# Allegro board MB1167.brd (continued)
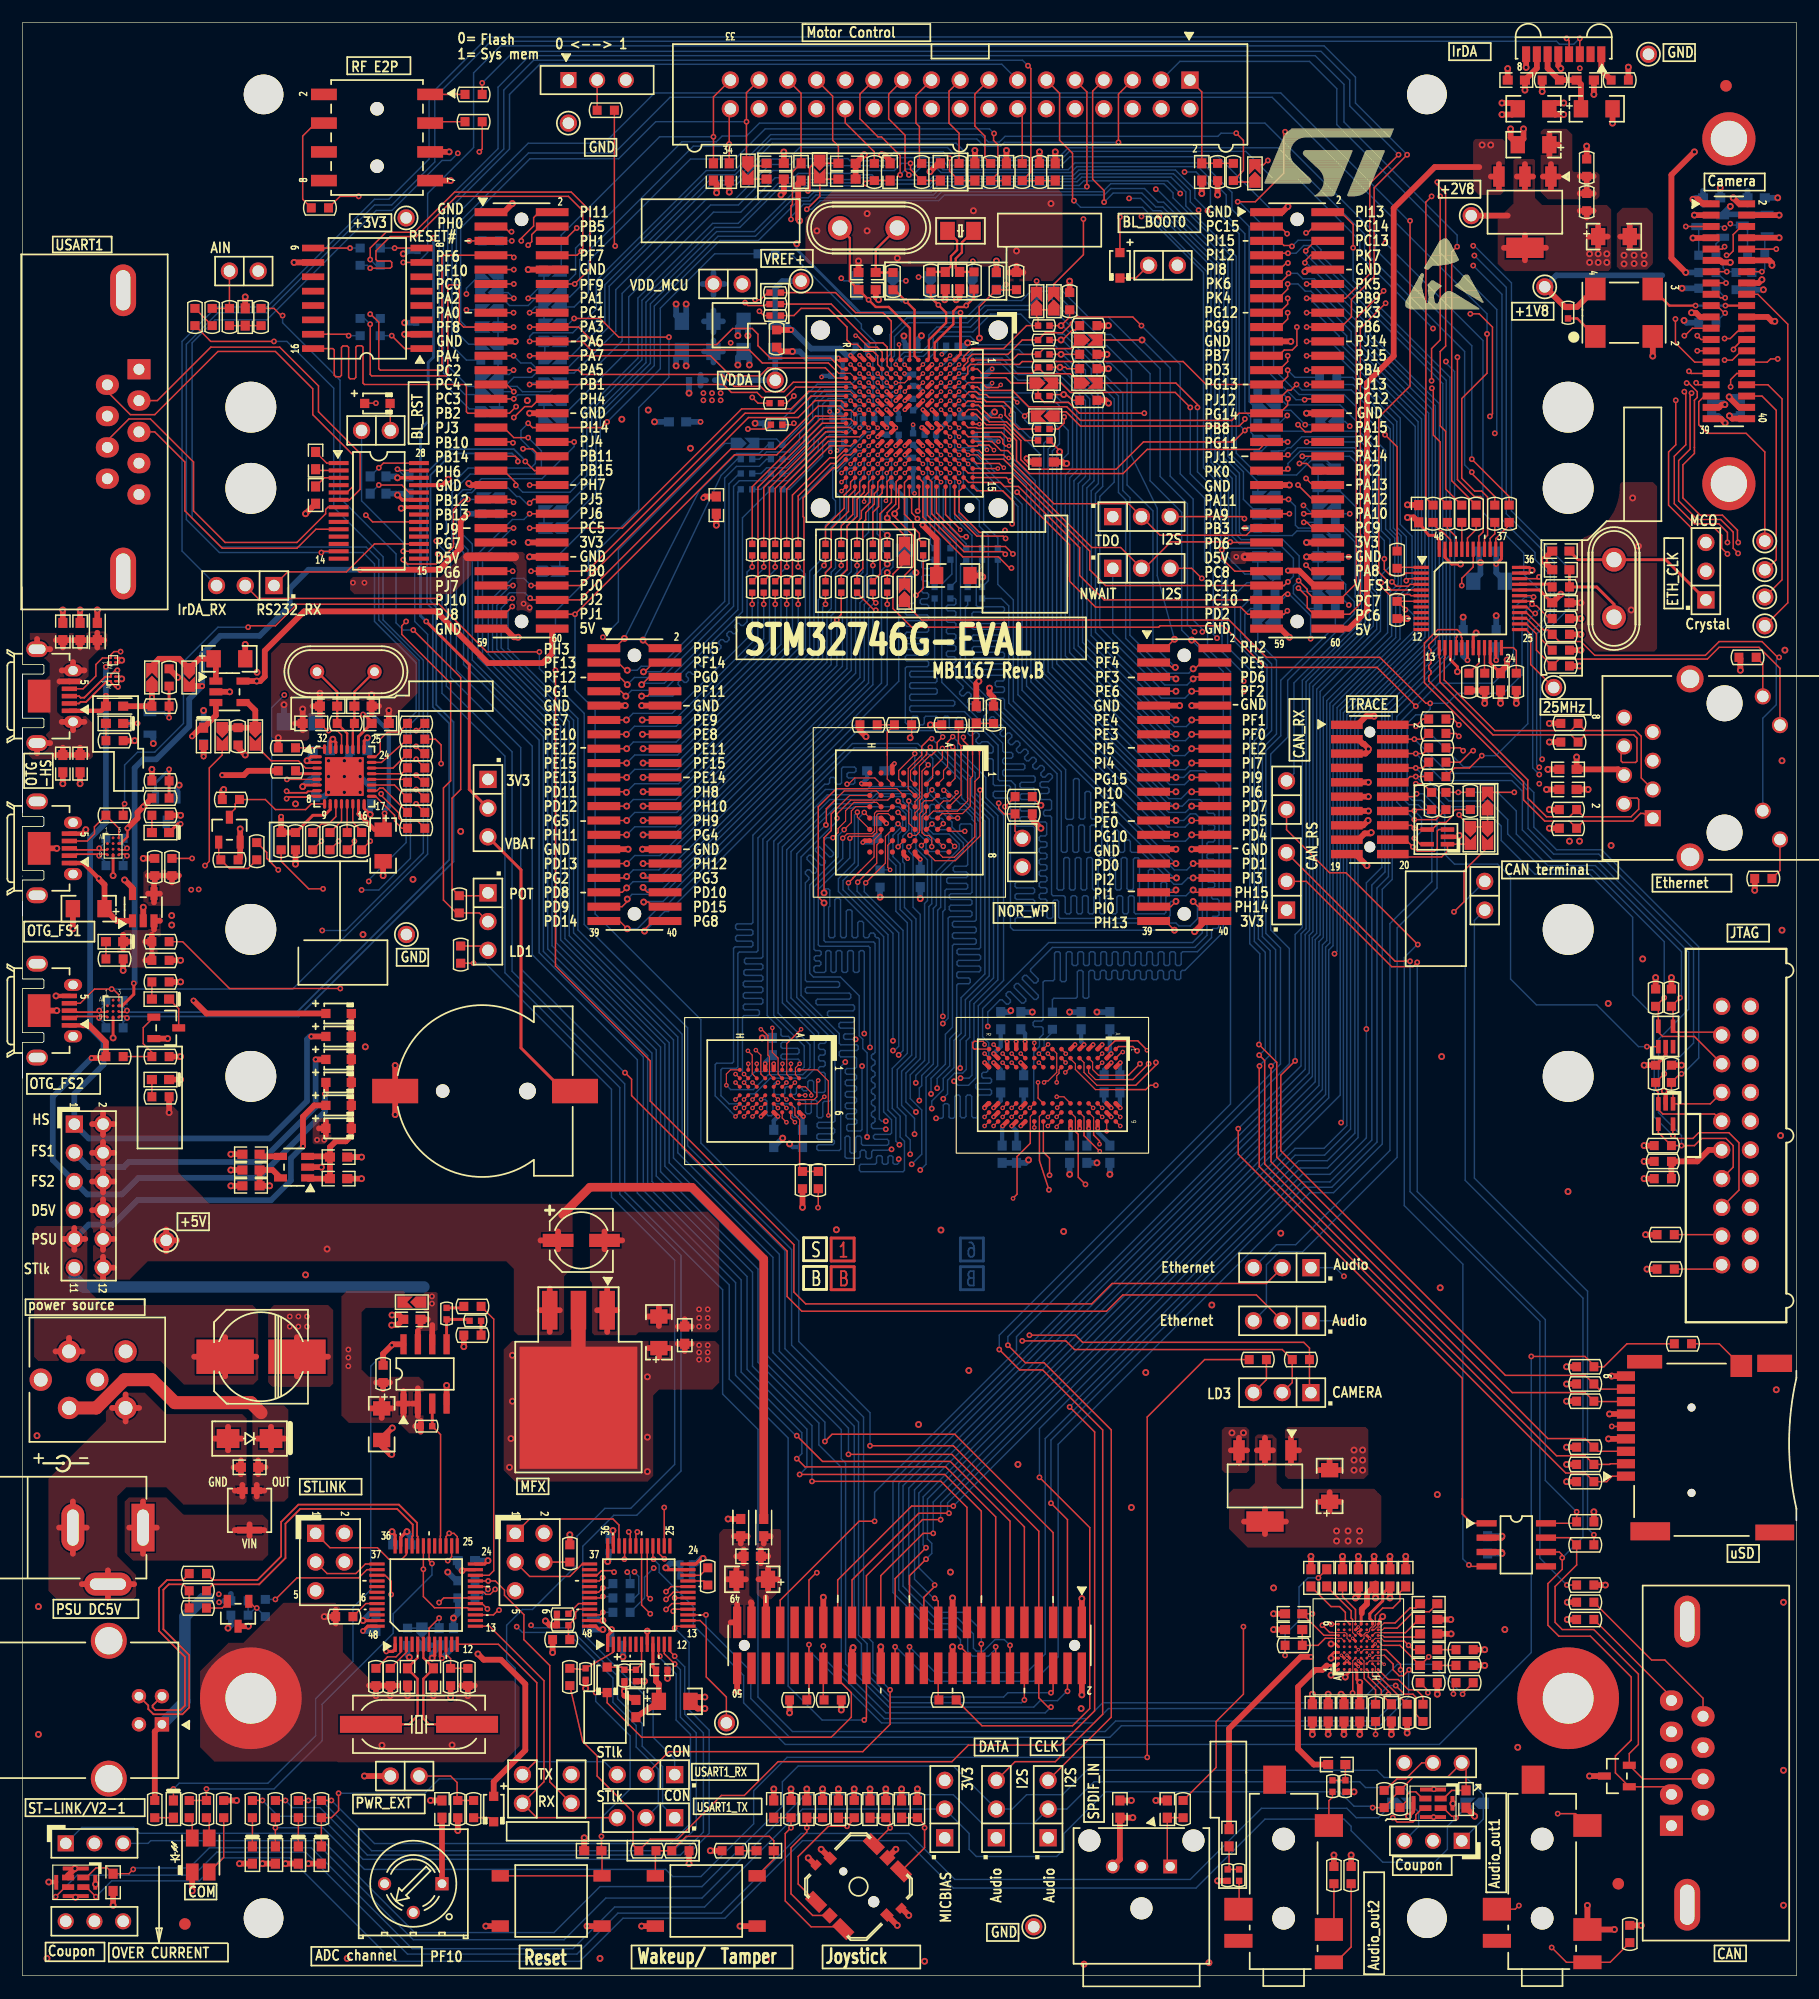
[diagram p0: board, top side]
## Routing (per net, layer and track width the routed paths; a pad name or vN(x,y) marks a point on that pad's centre or on a via; arc(x,y) is an arc through that point) (continued)
U5V_ST_LINK: length 36.3
  TOP w0.508: U17.7 34.95,57.02 ; 35.18,57.43 C55.2 35.83,58.04 ; 36.22,57.53 U17.6
  BOTTOM w1.016: JP13.11 4.57,61.72 5.38,60.91 35.48,60.91
  vias: v1(36.2,60.07) v1(36.2,59.44)
USB_RENUMN: length 11
  TOP w0.127: U21.38 30.44,35.9 29.72,35.18 24.26,35.18 v1(22.35,33.27)
  BOTTOM w0.127: R294.2 v1(22.35,33.27)
VREF+: length 16.3
  TOP w0.381: U4.P1 73.61,142.89 v5(73.21,143.29)
  TOP w0.508: R33.2 v1(67.94,145.54)
  BOTTOM w0.381: C110.2 73.66,143.76 73.21,143.31 v5(73.21,143.29)
  BOTTOM w0.508: TP6.1 67.18,149.86 66.55,149.22 C105.1 67.18,146.3 v1(67.94,145.54) 68.07,145.54 69.72,143.89 72.26,143.89 72.87,143.29 v5(73.21,143.29)
VUSB_ST_LINK: length 77.1
  TOP w0.508: R159.1 35.2,49.07 ; R159.1 35.2,48.11 ; R159.1 34.72,48.59 ; 31.88,51.85 R156.1 ; R156.1 31.27,52.45 ; R156.1 32.49,52.45 ; 26.2,74.93 D12.1 ; D12.1 26.82,75.54 ; D12.1 26.82,74.32 ; 34.95,49.5 U17.2 ; U17.2 34.47,50.59 ; U17.2 34.95,51.94 ; U17.1 33.68,51.68 ; U17.1 33.2,50.59 ; U17.1 33.68,49.5 ; U17.1 34.16,50.59 ; C59.1 31.75,51 ; C59.1 30.78,50.16 ; C59.1 31.75,49.33 ; C59.1 32.72,50.16 ; R200.1 11.68,21.59 CN21.1
  L4_SIG w1.016: 25.81,72.36 25.4,71.96 25.4,64.26 28.83,60.83 28.83,56.39 ; 28.83,52.73 28.83,45.87 18.24,35.28 18.24,33.81
  BOTTOM w0.508: 18.41,33.76 R293.2 17.82,33.15
  BOTTOM w1.016: CN21.1 14.35,24.26 14.35,31.75 15.95,33.35 16.51,33.35
  vias: v1(17.35,33.73) v1(17.37,33.02) v1(26.04,73.91) v1(26.67,73.91) v1(28.8,55.37) v1(28.8,54.66) v1(28.8,53.9)

## Copper pours and planes (outline as drawn; the poured copper is in the pictures)
+1V8 on TOP: 107.06,43.05 108.46,43.05 108.97,43.56 108.97,47.62 109.22,47.88 110.49,47.88 110.87,47.5 110.87,43.56 111.38,43.05 119.51,43.05 120.14,42.42 120.14,38.35 119.63,37.85 108.36,37.85 106.68,39.52 106.68,42.67
+1V8 on BOTTOM: 154.56,159.38 154.81,159.13 154.81,156.72 154.56,156.46 148.13,156.46 147.32,155.65 147.32,119.13 139.01,110.82 139.01,100.3 138.53,99.82 136.4,99.82 136.02,100.2 136.02,111.46 143.89,119.33 143.89,153.85 143.76,153.97 143.76,158.37 144.78,159.38
+1V8 on BOTTOM: 115.7,42.67 120.52,42.67 121.28,41.91 121.28,27.64 119.05,25.4 115.82,25.4 114.94,26.29 114.94,41.91
+1V8 on L4_SIG: 134.75,101.47 137.79,101.47 138.3,100.97 138.3,100.08 136.27,98.04 135.51,98.04 131.95,94.49 131.95,92.08 123.06,83.19 123.06,40.89 120.14,37.97 116.08,37.97 115.82,38.23 115.82,42.67 116.71,43.56 117.98,43.56 119.25,44.83 119.25,85.98
+2V8 on TOP: 140.08,156.59 140.46,156.21 140.46,151 140.21,150.75 131.06,150.75 130.43,151.38 130.43,155.32 131.83,156.72 131.83,160.53 131.95,160.66 133.6,160.66 133.73,160.53 133.73,157.23 134.37,156.59
+2V8 on L3_VCC: 136.76,137.16 134.87,139.04 134.87,156.1 137.27,158.5 156.34,158.5 156.34,148.34 156.34,148.33 156.34,146.18 156.21,146.05 153.03,146.05 152.15,145.16 152.15,137.77 151.53,137.16
+3V3 on TOP: 43.31,56.13 61.21,56.13 61.59,55.75 61.59,52.45 60.96,51.82 56.26,51.82 55.75,51.31 55.75,44.2 55.24,43.69 43.56,43.69 42.55,44.7 42.55,55.37
+3V3 on TOP: 106.3,48.51 108.2,48.51 108.46,48.26 108.46,44.7 108.2,44.45 106.3,44.45 106.05,44.7 106.05,48.26
+3V3 on L3_VCC: 0.51,0.51 0.51,13.93 29.55,13.93 31.33,15.72 31.33,26.01 31.97,26.65 40.54,26.65 42.5,28.61 42.5,40.06 41.02,41.54 26.76,41.54 24.07,44.24 24.07,69.76 22.46,71.36 0.51,71.36 0.51,82.03 2,82.03 2.39,82.43 2.39,83.5 2,83.9 0.51,83.9 0.51,86.78 2,86.78 2.39,87.18 2.39,88.25 2,88.65 0.51,88.65 0.51,96.39 2,96.39 2.39,96.78 2.39,97.86 2,98.25 0.51,98.25 0.51,101.14 2,101.14 2.39,101.53 2.39,102.61 2,103 0.51,103 0.51,106.93 5.95,106.93 6.6,107.59 6.6,111.1 5.95,111.76 3.41,111.76 3.3,111.87 3.3,113.69 3.41,113.79 5.19,113.79 6.35,114.96 6.35,116.1 6.96,116.71 7.34,116.71 8,117.37 8,118.85 7.6,119.25 0.51,119.25 0.51,172.21 156.34,172.21 156.34,159 137.05,159 134.37,156.32 134.37,138.83 136.55,136.65 151.74,136.65 152.65,137.56 152.65,144.91 153.29,145.54 155.96,145.54 156.34,145.16 156.34,52.91 155.69,47.08 156.34,41.24 156.34,0.51 ; 1 cut-out
+3V3_ST_LINK on L3_VCC: 0.51,14.44 0.51,70.86 22.25,70.86 23.56,69.55 23.56,44.03 26.55,41.03 40.81,41.03 42,39.85 42,28.82 40.33,27.16 31.76,27.16 30.83,26.22 30.83,15.93 29.34,14.44
+5V on TOP: 130.68,157.48 128.78,157.48 128.27,157.99 128.27,162.23 128.47,162.43 130.86,162.43 131.06,162.23 131.06,157.86
+5V on TOP: 11.07,63.17 9.47,61.57 6.58,61.57 6.02,62.13 6.02,76.35 6.54,76.87 13.32,76.87 13.77,76.43 13.77,71.04 16.55,68.26 48.2,68.26 48.64,67.82 48.64,62.61 47.88,61.85 47.88,56.9 47.62,56.64 43.81,56.64 43.43,57.02 43.43,62.48 42.75,63.17
+5V on BOTTOM: 13.84,92.15 12.09,92.15 11.68,92.56 11.68,97.97 16.59,102.87 16.59,115.16 17.22,115.8 21.01,115.8 21.21,115.6 21.21,114.17 19.91,112.88 19.91,102.57 14.05,96.7 14.05,92.35
+5V on L4_SIG: 130.07,161.59 128.57,161.59 128.32,161.85 128.32,167.94 125.93,170.33 115.44,170.33 110.39,165.28 109.65,165.28 107.92,167 71.27,167 69.9,168.38 30.23,168.38 28.92,167.07 28.92,156.53 28.57,156.18 28.57,149.61 19.3,140.34 19.3,118.24 20.93,116.61 20.95,116.61 21.36,116.2 21.36,113.51 21.03,113.18 17.5,113.18 12.19,118.49 12.19,142.56 25.34,155.7 25.34,168.16 28.42,171.25 113.42,171.25 114.16,171.98 127.91,171.98 130.33,169.57 130.33,161.85
+5V on L4_SIG: 8.66,97.46 13.21,97.46 13.74,96.93 13.74,72.75 12.62,71.63 6.38,71.63 6.05,71.96 6.05,76.63 10.64,81.23 10.64,94.36 10.19,94.82 8.81,94.82 8.51,95.12 8.51,97.31
D5V on TOP: 39.67,125.68 39.67,123.88 37.97,122.17 29.34,122.17 28.96,122.56 28.96,123.44 29.21,123.7 36.96,123.7 39.12,125.86 39.5,125.86
D5V on TOP: 106.93,125.98 108.08,125.98 108.2,125.86 108.2,124.97 108.08,124.84 106.93,124.84 106.81,124.97 106.81,125.86
D5V on TOP: 42.93,125.91 44.22,125.91 44.58,125.55 44.58,121.62 45.06,121.13 45.06,120.7 44.88,120.52 43.97,120.52 43.64,120.85 43.64,122.58 43.66,122.61 43.66,124.69 43.31,125.04 43.03,125.04 42.93,125.15
D5V on BOTTOM: 14.68,95.22 15.21,95.22 21.54,101.55 21.54,112.12 22.89,113.46 22.89,116.71 28.47,122.3 30.48,122.3 30.73,122.56 30.73,123.32 30.35,123.7 27.69,123.7 21.84,117.86 21.84,113.92 20.42,112.5 20.42,102.06 14.43,96.06 14.43,95.48
D5V on L4_SIG: 14.71,96.47 15.6,96.47 15.82,96.24 15.82,72.01 10.36,66.55 3.84,66.55 3.4,66.98 3.4,68.99 3.73,69.32 8.36,69.32 8.56,69.11 10.97,69.11 14.58,72.72 14.58,96.34
D5V on L4_SIG: 106.93,125.98 108.33,125.98 108.58,125.73 108.58,124.59 105.92,121.92 97.16,121.92 95,119.76 62.36,119.76 60.55,121.56 47.88,121.56 46.58,120.27 44.07,120.27 43.94,120.4 43.94,121.54 44.2,121.79 45.82,121.79 46.58,122.56 61.21,122.56 62.74,121.03 94.11,121.03 96.14,123.06 104.9,123.06 106.81,124.97 106.81,125.86
GND on BOTTOM (solid shape): 35.31,29.56 35.81,30.06 35.81,28.7 34.8,28.7 34.8,30.07
GND on TOP: 22.86,117.86 33.4,117.86 34.92,116.33 34.92,113.41 32.89,111.38 30.48,111.38 30.48,112.78 26.8,112.78 26.8,111.38 25.53,111.38 25.34,111.19 25.34,109.41 25.15,109.22 22.35,109.22 21.97,109.6 21.97,116.97
GND on TOP: 111.89,48.51 118.75,48.51 119,48.26 119,44.32 118.62,43.94 111.89,43.94 111.63,44.2 111.63,48.26
GND on TOP: 77.6,151.38 69.47,151.38 69.22,151.64 69.22,155.45 71.75,157.99 91.57,157.99 91.95,157.61 91.95,150.75 91.03,149.83 87.02,149.83 85.72,151.13 77.85,151.13
GND on TOP: 43.94,20.32 42.49,18.87 27.89,18.87 27.84,18.92 16.97,18.92 15.7,20.19 15.7,26.92 18.21,29.44 19.53,29.44 23.06,32.97 27.64,32.97 28.31,32.3 28.31,28.63 30.85,26.09 43.38,26.09 43.94,25.53
GND on TOP: 141.25,131.93 141.4,132.08 144.17,132.08 144.53,131.72 144.53,117.35 144.27,117.09 137.79,117.09 137.29,117.6 137.29,126.49 137.34,126.49 138.1,127.23 138.79,127.48 139.6,128.09 140,128.5 140.18,128.7 140.4,128.98 140.58,129.26 140.75,129.58 140.91,129.94 141.07,130.45 141.17,130.94 141.2,131.12
GND on TOP: 22.23,59.31 27,59.31 27.46,58.85 27.46,52.35 27.18,52.07 22.1,52.07 21.72,52.45 21.72,58.8
GND on TOP: 54.48,56.9 54.23,56.64 50.55,56.64 50.36,56.83 50.36,61.28 50.16,61.47 50.16,67.31 50.42,67.56 61.09,67.56 61.59,67.06 61.59,57.15 61.34,56.9
GND on TOP: 141.48,156.34 143.64,156.34 144.15,155.83 144.15,151.38 143.64,150.88 141.22,150.88 140.97,151.13 140.97,155.83
GND on BOTTOM: 24.92,117.91 32.44,117.91 33.63,116.71 33.63,112.55 32.64,111.56 24.43,111.56 24.42,111.57 24.23,111.57 23.94,111.86 22.66,111.86 22.56,111.96 22.56,112.34 23.22,113 23.22,116.2
GND on BOTTOM: 29.18,25.98 41.86,25.98 42.82,25.02 42.82,19.86 42.19,19.23 28.96,19.23 28.5,19.68 28.5,25.3
GND on L2_GND, L5_GND: 0.51,0.51 0.51,82.03 2,82.03 2.39,82.43 2.39,83.5 2,83.9 0.51,83.9 0.51,86.78 2,86.78 2.39,87.18 2.39,88.25 2,88.65 0.51,88.65 0.51,96.39 2,96.39 2.39,96.78 2.39,97.86 2,98.25 0.51,98.25 0.51,101.14 2,101.14 2.39,101.53 2.39,102.61 2,103 0.51,103 0.51,106.93 5.95,106.93 6.6,107.59 6.6,111.1 5.95,111.76 3.41,111.76 3.3,111.87 3.3,113.69 3.41,113.79 5.19,113.79 6.35,114.96 6.35,116.1 6.96,116.71 7.34,116.71 8,117.37 8,118.85 7.6,119.25 0.51,119.25 0.51,172.21 156.34,172.21 156.34,52.91 155.69,47.08 156.34,41.24 156.34,0.51
GND on L4_SIG: 24.23,118.49 31.88,118.49 33.99,116.38 33.99,113.11 30.81,109.93 30.81,103.58 30.1,102.87 24.21,102.87 23.75,103.33 23.75,106.81 22.1,108.46 22.1,112.09 22.83,112.83 22.83,117.09
GND on L4_SIG: 41.15,106.3 48.39,106.3 49.91,104.78 49.91,82.17 65.28,66.8 91.95,66.8 93.6,65.15 93.6,61.98 89.62,58 87.72,58 85.75,56.03 85.75,54.13 76.23,44.6 75.13,44.6 73.23,42.7 56.82,42.7 55.52,41.4 51.69,41.4 48.11,37.82 34.29,37.82 33.77,38.34 33.77,61.35 29.72,65.41 29.72,93.42 39.5,103.2 39.5,104.65
GND on L4_SIG: 55.14,139.57 57.07,137.64 66.27,137.64 66.55,137.36 66.55,135.13 66.04,134.62 56.54,134.62 54.31,136.86 44.53,136.86 43.99,137.39 43.99,138.4 44.18,138.6 44.18,139.23 44.53,139.57
GND on L4_SIG: outline of 149 points within 0.56,0.64 156.34,117.6
VBUS_FS2 on TOP (solid shape): 15.24,113.54 14.22,113.54 14.22,114.9 14.73,114.39 15.24,114.9
VDD_MCU on BOTTOM: 59.56,149.86 60.58,150.88 61.85,150.88 62.36,150.37 62.36,139.06 62.1,138.81 59.82,138.81 59.56,139.06
VDD_MCU on L3_VCC: 58.78,130.3 58.17,130.92 58.17,150.52 58.78,151.13 61.87,151.13 62.23,150.77 62.23,148.23 62.89,147.57 71.73,147.57 74.27,150.11 87.78,150.11 89.41,148.48 89.41,131.93 87.78,130.3
E5V on TOP: 20.83,52.7 20.83,58.8 20.32,59.31 7.11,59.31 5.72,60.71 5.72,65.79 5.21,66.29 1.27,66.29 1.02,66.04 1.02,54.74 1.4,54.36 12.19,54.36 14.29,52.26 20.38,52.26
MIC_CLK on BOTTOM (solid shape): 123.19,14.73 121.82,14.73 122.33,15.24 121.83,15.75 123.19,15.75
MIC_DATA on BOTTOM (solid shape): 129.67,14.73 128.75,14.73 128.24,15.24 128.75,15.75 129.67,15.75
NETC5_1 on TOP: 134.49,163.32 136.53,163.32 137.03,162.81 137.03,159.64 137.16,159.51 139.19,159.51 139.45,159.26 139.45,157.35 139.19,157.1 134.87,157.1 134.24,157.73 134.24,163.07
NETC6_2 on TOP (solid shape): 64.64,159.99 64.14,159.48 63.63,159.99 63.63,160.91 64.64,160.91
NETC6_2 on BOTTOM (solid shape): 40.86,145.79 41.37,145.29 40.01,145.29 40.01,146.3 41.37,146.3
NETC7_2 on TOP (solid shape): 70.99,160.12 70.48,159.61 69.98,160.12 69.98,161.04 70.99,161.04
NETC7_2 on BOTTOM (solid shape): 116.59,132.72 115.22,132.72 115.73,133.23 115.22,133.73 116.59,133.73
NETC8_2 on BOTTOM (solid shape): 48.13,150.24 46.77,150.24 47.28,150.75 46.77,151.26 48.13,151.26
NETC9_2 on BOTTOM (solid shape): 40.86,148.84 41.37,148.34 40.01,148.34 40.01,149.35 41.37,149.35
NETC10_2 on BOTTOM (solid shape): 109.57,130.81 110.07,130.3 108.71,130.3 108.71,131.32 110.08,131.32
NETC11_1 on BOTTOM (solid shape): 48.13,129.03 47.21,129.03 46.7,129.54 47.21,130.05 48.13,130.05
NETC12_2 on BOTTOM (solid shape): 48.13,137.29 47.21,137.29 46.7,137.79 47.21,138.3 48.13,138.3
NETC13_2 on BOTTOM (solid shape): 41.43,141.6 40.93,141.1 40.01,141.1 40.01,142.11 40.93,142.11
NETC14_2 on BOTTOM (solid shape): 48.13,147.07 47.21,147.07 46.7,147.57 47.21,148.08 48.13,148.08
NETC15_1 on BOTTOM (solid shape): 41.43,139.83 40.93,139.32 40.01,139.32 40.01,140.34 40.93,140.34
NETC17_1 on TOP (solid shape): 64.64,158.37 63.63,158.37 63.63,159.73 64.13,159.22 64.64,159.73
NETC18_2 on TOP (solid shape): 70.99,158.5 69.98,158.5 69.98,159.86 70.48,159.35 70.99,159.86
NETC18_2 on BOTTOM (solid shape): 116.59,126.49 115.22,126.49 115.73,127 115.22,127.51 116.59,127.51
NETC34_1 on TOP: 0.89,107.57 0.51,107.95 0.51,109.6 0.64,109.73 2.03,109.73 2.41,110.11 2.41,111.51 2.16,111.76 0.76,111.76 0.53,111.99 0.53,114.5 0.58,114.55 0.64,114.55 0.68,114.6 2,114.6 2.39,115 2.39,116.07 2,116.47 0.76,116.47 0.64,116.59 0.64,118.75 5.72,118.75 5.84,118.87 7.24,118.87 7.49,118.62 7.49,117.6 7.11,117.22 6.73,117.22 5.84,116.33 5.84,114.94 5.08,114.17 3.3,114.17 3.05,113.92 3.05,111.76 3.43,111.38 5.59,111.38 6.22,110.74 6.22,107.82 5.97,107.57
NETC34_1 on L2_GND, L3_VCC, L5_GND: 0.51,107.44 0.51,109.85 2,109.85 2.39,110.25 2.39,111.32 2,111.72 0.51,111.72 0.51,114.6 2,114.6 2.39,115 2.39,116.07 2,116.47 0.51,116.47 0.51,118.75 7.39,118.75 7.49,118.64 7.49,117.58 7.13,117.22 6.75,117.22 5.84,116.31 5.84,115.17 4.97,114.3 3.2,114.3 2.79,113.9 2.79,111.65 3.2,111.25 5.74,111.25 6.1,110.89 6.1,107.8 5.74,107.44
NETC36_1 on TOP (solid shape): 15.24,115.16 14.73,114.65 14.22,115.16 14.22,116.08 15.24,116.08
NETC36_1 on TOP (solid shape): 11.94,114.72 11.43,115.22 10.92,114.71 10.92,116.08 11.94,116.08
NETC60_1 on TOP: 23.11,50.42 23.5,50.04 23.5,42.29 23.11,41.91 20.57,41.91 20.32,42.16 20.32,50.16 20.57,50.42
NETC60_2 on TOP: 9.65,33.15 3.18,33.15 2.29,34.04 2.29,43.94 7.37,49.02 7.37,49.91 9.02,51.56 10.8,51.56 12.7,49.66 19.43,49.66 19.81,49.28 19.81,41.91 19.56,41.66 14.22,41.66 12.7,43.18 9.14,43.18 8.38,42.42 8.38,37.08 10.03,35.43 10.03,33.53
NETC62_1 on TOP: 65.15,39.5 66.93,39.5 67.06,39.37 67.06,34.16 66.17,33.27 65.41,33.27 64.9,33.78 64.9,39.24
NETC62_2 on TOP: 61.98,39.5 63.88,39.5 64.26,39.12 64.26,33.66 64.68,33.24 64.68,32.85 64.77,32.77 64.77,30.1 64.52,29.84 62.1,29.84 61.59,30.35 61.59,39.12
NETC137_2 on L4_SIG: 131.19,126.36 131.57,125.98 131.57,116.46 130.94,115.82 127.25,115.82 127,116.08 127,125.98 127.38,126.36
NETCN1_3 on BOTTOM (solid shape): 116.59,121.92 115.67,121.92 115.16,122.43 115.67,122.94 116.59,122.94
NETCN1_5 on BOTTOM (solid shape): 48.13,144.02 46.77,144.02 47.28,144.53 46.77,145.03 48.13,145.03
NETCN1_9 on BOTTOM (solid shape): 48.01,123.7 46.64,123.7 47.15,124.21 46.64,124.71 48.01,124.71
NETCN1_11 on BOTTOM (solid shape): 111.25,124.97 110.33,124.97 109.82,125.48 110.33,125.98 111.25,125.98
NETCN1_13 on BOTTOM (solid shape): 48.13,140.34 46.77,140.34 47.28,140.85 46.77,141.35 48.13,141.35
NETCN1_21 on BOTTOM (solid shape): 110.14,135.76 109.63,135.25 108.71,135.25 108.71,136.27 109.63,136.27
NETCN1_23 on BOTTOM (solid shape): 110.14,138.56 109.63,138.05 108.71,138.05 108.71,139.06 109.63,139.06
NETCN4_33 on TOP (solid shape): 109.47,159.29 108.97,159.8 108.46,159.29 108.46,160.66 109.47,160.66
NETCN5_3 on BOTTOM (solid shape): 77.47,149.83 76.96,149.32 76.45,149.83 76.45,150.75 77.47,150.75
NETCN5_6 on BOTTOM (solid shape): 74.3,149.83 73.79,149.32 73.28,149.83 73.28,150.75 74.3,150.75
NETCN6_3 on BOTTOM (solid shape): 80.77,149.83 80.26,149.32 79.76,149.83 79.76,150.75 80.77,150.75
NETCN6_4 on BOTTOM (solid shape): 84.45,149.83 83.95,149.32 83.44,149.83 83.44,150.75 84.45,150.75
NETCN12_12 on TOP (solid shape): 91.57,140.34 90.21,140.34 90.71,140.84 90.2,141.35 91.57,141.35
NETCN12_14 on TOP (solid shape): 95.5,140.34 94.14,140.34 94.65,140.84 94.14,141.35 95.5,141.35
NETCN12_16 on TOP (solid shape): 95.5,144.15 94.14,144.15 94.65,144.65 94.14,145.16 95.5,145.16
NETCN12_18 on TOP (solid shape): 90.17,147.99 89.66,148.5 89.15,147.99 89.15,149.35 90.17,149.35
NETCN12_20 on TOP (solid shape): 128.52,99.57 127.51,99.57 127.51,100.93 128.01,100.42 128.52,100.93
NETCN14_4 on BOTTOM (solid shape): 40.99,130.68 41.49,130.18 40.13,130.18 40.13,131.19 41.5,131.19
NETCN16_3 on BOTTOM (solid shape): 109.57,119.63 110.07,119.13 108.71,119.13 108.71,120.14 110.08,120.14
NETCN16_7 on BOTTOM (solid shape): 111.25,123.44 110.33,123.44 109.82,123.95 110.33,124.46 111.25,124.46
NETCN17_1 on TOP: 9.4,42.29 12.7,42.29 14.22,40.77 21.21,40.77 21.72,40.26 21.72,37.21 21.21,36.7 9.78,36.7 9.02,37.47 9.02,41.91
NETCN20_43 on BOTTOM (solid shape): 116.59,123.44 115.22,123.44 115.73,123.95 115.22,124.46 116.59,124.46
NETD5_C3 on BOTTOM (solid shape): 116.59,129.67 115.22,129.67 115.73,130.18 115.22,130.68 116.59,130.68
NETJP6_3 on BOTTOM (solid shape): 116.59,124.97 115.22,124.97 115.73,125.48 115.22,125.98 116.59,125.98
NETJP20_2 on BOTTOM (solid shape): 109.57,129.28 110.07,128.78 108.71,128.78 108.71,129.79 110.08,129.79
NETJP21_2 on BOTTOM (solid shape): 40.86,150.49 41.37,149.99 40.01,149.99 40.01,151 41.37,151
NETJP21_3 on TOP (solid shape): 78.49,121.95 78.49,121.03 77.47,121.03 77.47,121.95 77.98,122.46
NETJP22_2 on BOTTOM (solid shape): 48.13,145.54 47.21,145.54 46.7,146.05 47.21,146.56 48.13,146.56
NETJP22_3 on TOP (solid shape): 78.49,125.63 78.49,124.71 77.47,124.71 77.47,125.63 77.98,126.14
NETL2_1 on TOP (solid shape): 11.94,114.46 11.94,113.54 10.92,113.54 10.92,114.46 11.43,114.97
NETLD8_2 on TOP: 11.3,93.98 12.07,93.98 12.19,93.85 12.19,91.95 11.94,91.69 11.94,89.41 11.68,89.15 8.64,89.15 8.38,89.41 8.38,91.82 9.02,92.46 11.05,92.46 11.18,92.58 11.18,93.85
NETR31_1 on TOP (solid shape): 90.17,147.73 90.17,146.81 89.15,146.81 89.15,147.73 89.66,148.24
NETR31_1 on TOP (solid shape): 91.69,147.73 91.69,146.81 90.68,146.81 90.68,147.73 91.19,148.24
NETR34_1 on TOP (solid shape): 128.52,101.19 128.02,100.68 127.51,101.19 127.51,102.11 128.52,102.11
NETR34_1 on TOP (solid shape): 130.05,103.54 130.05,102.62 129.03,102.62 129.03,103.54 129.54,104.04
NETR34_1 on TOP (solid shape): 130.05,101.19 129.54,100.68 129.03,101.19 129.03,102.11 130.05,102.11
NETR35_1 on TOP (solid shape): 94.39,144.65 93.88,144.15 92.96,144.15 92.96,145.16 93.88,145.16
NETR37_1 on TOP (solid shape): 94.39,140.84 93.88,140.34 92.96,140.34 92.96,141.35 93.88,141.35
NETR39_1 on TOP (solid shape): 90.46,140.84 89.95,140.34 89.03,140.34 89.03,141.35 89.95,141.35
NETR46_2 on BOTTOM (solid shape): 116.84,136.93 115.92,136.93 115.41,137.44 115.92,137.95 116.84,137.95
NETR47_2 on BOTTOM (solid shape): 48.13,127.51 47.21,127.51 46.7,128.02 47.21,128.52 48.13,128.52
NETR48_2 on BOTTOM (solid shape): 41.43,138.3 40.93,137.79 40.01,137.79 40.01,138.81 40.93,138.81
NETR49_2 on BOTTOM (solid shape): 48.13,142.49 46.77,142.49 47.28,143 46.77,143.51 48.13,143.51
NETR50_2 on BOTTOM (solid shape): 48.13,148.72 46.77,148.72 47.28,149.23 46.77,149.73 48.13,149.73
NETR62_2 on BOTTOM (solid shape): 48.13,138.81 47.21,138.81 46.7,139.32 47.21,139.83 48.13,139.83
NETR94_2 on TOP (solid shape): 18.16,109.95 17.65,109.44 17.14,109.95 17.14,110.87 18.16,110.87
NETR94_2 on TOP (solid shape): 21.08,109.95 20.57,109.44 20.07,109.95 20.07,110.87 21.08,110.87
NETR129_2 on TOP: 10.92,97.79 13.84,97.79 13.97,97.66 13.97,94.74 13.84,94.61 10.92,94.61 10.67,94.87 10.67,97.54
NETR248_2 on TOP (solid shape): 90.01,137.92 90.52,137.41 89.15,137.41 89.15,138.43 90.52,138.43
NETR251_2 on BOTTOM (solid shape): 65.15,135 63.79,135 64.3,135.51 63.79,136.02 65.15,136.02
NETSB9_2 on TOP (solid shape): 91.69,137.41 90.77,137.41 90.27,137.92 90.77,138.43 91.69,138.43
NETSB14_1 on TOP (solid shape): 18.16,108.33 17.14,108.33 17.14,109.69 17.65,109.19 18.16,109.7
NETSB15_1 on TOP (solid shape): 21.08,108.33 20.07,108.33 20.07,109.69 20.57,109.19 21.08,109.7
NETSB18_1 on TOP (solid shape): 130.05,99.57 129.03,99.57 129.03,100.93 129.54,100.42 130.05,100.93
NETSB20_2 on BOTTOM (solid shape): 122.08,15.24 121.57,14.73 120.65,14.73 120.65,15.75 121.57,15.75
NETSB21_1 on BOTTOM (solid shape): 127.98,15.24 128.49,14.73 127.13,14.73 127.13,15.75 128.49,15.75
NETSB32_1 on BOTTOM (solid shape): 40.86,147.32 41.37,146.81 40.01,146.81 40.01,147.83 41.37,147.83
NETSB36_1 on BOTTOM (solid shape): 40.86,144.27 41.37,143.76 40.01,143.76 40.01,144.78 41.37,144.78
NETSB47_2 on BOTTOM (solid shape): 64.04,135.51 63.53,135 62.61,135 62.61,136.02 63.53,136.02
NETSB49_1 on BOTTOM (solid shape): 116.59,131.19 115.22,131.19 115.73,131.7 115.22,132.21 116.59,132.21
PA0 on BOTTOM (solid shape): 42.55,146.81 41.62,146.81 41.12,147.32 41.62,147.83 42.55,147.83
PA0 on BOTTOM (solid shape): 42.55,145.29 41.62,145.29 41.12,145.8 41.62,146.3 42.55,146.3
PA0 on BOTTOM (solid shape): 42.55,143.76 41.62,143.76 41.12,144.27 41.62,144.78 42.55,144.78
PA1 on BOTTOM (solid shape): 47.02,150.75 46.51,150.24 45.59,150.24 45.59,151.26 46.51,151.26
PA1 on BOTTOM (solid shape): 47.02,149.22 46.51,148.72 45.59,148.72 45.59,149.73 46.51,149.73
PA2 on BOTTOM (solid shape): 42.55,149.99 41.62,149.99 41.12,150.5 41.62,151 42.55,151
PA2 on BOTTOM (solid shape): 42.55,148.34 41.62,148.34 41.12,148.84 41.62,149.35 42.55,149.35
PA6 on TOP (solid shape): 109.47,159.04 109.47,158.12 108.46,158.12 108.46,159.04 108.97,159.54
PA7 on BOTTOM (solid shape): 47.02,144.53 46.51,144.02 45.59,144.02 45.59,145.03 46.51,145.03
PA7 on BOTTOM (solid shape): 47.02,143 46.51,142.49 45.59,142.49 45.59,143.51 46.51,143.51
PA8 on BOTTOM (solid shape): 115.47,127 114.97,126.49 114.05,126.49 114.05,127.51 114.97,127.51
PA8 on BOTTOM (solid shape): 115.47,125.48 114.97,124.97 114.05,124.97 114.05,125.98 114.97,125.98
PA8 on BOTTOM (solid shape): 115.47,123.95 114.97,123.44 114.05,123.44 114.05,124.46 114.97,124.46
PA9 on BOTTOM (solid shape): 111.25,128.78 110.33,128.78 109.82,129.29 110.33,129.79 111.25,129.79
PA11 on BOTTOM (solid shape): 111.25,130.3 110.33,130.3 109.82,130.81 110.33,131.32 111.25,131.32
PA12 on BOTTOM (solid shape): 115.47,133.22 114.97,132.72 114.05,132.72 114.05,133.73 114.97,133.73
PA12 on BOTTOM (solid shape): 115.47,131.7 114.97,131.19 114.05,131.19 114.05,132.21 114.97,132.21
PA12 on BOTTOM (solid shape): 115.47,130.18 114.97,129.67 114.05,129.67 114.05,130.68 114.97,130.68
PAR_D0 on BOTTOM (solid shape): 114.9,122.43 115.41,121.92 114.05,121.92 114.05,122.94 115.41,122.94
PAR_D2 on BOTTOM (solid shape): 109.57,125.47 110.07,124.97 108.71,124.97 108.71,125.98 110.08,125.98
PAR_D2 on BOTTOM (solid shape): 109.57,123.95 110.07,123.44 108.71,123.44 108.71,124.46 110.08,124.46
PAR_D6 on TOP (solid shape): 91.69,147.99 91.19,148.5 90.68,147.99 90.68,149.35 91.69,149.35
PAR_D7 on TOP (solid shape): 130.05,103.79 129.54,104.3 129.03,103.79 129.03,105.16 130.05,105.16
PAR_D11 on BOTTOM (solid shape): 111.25,119.13 110.33,119.13 109.82,119.63 110.33,120.14 111.25,120.14
PB0 on BOTTOM (solid shape): 46.89,124.21 46.39,123.7 45.47,123.7 45.47,124.71 46.39,124.71
PB1 on BOTTOM (solid shape): 47.02,140.84 46.51,140.34 45.59,140.34 45.59,141.35 46.51,141.35
PB12 on BOTTOM (solid shape): 42.67,130.18 41.75,130.18 41.24,130.68 41.75,131.19 42.67,131.19
PC1 on BOTTOM (solid shape): 46.45,147.57 46.95,147.07 45.59,147.07 45.59,148.08 46.96,148.08
PC1 on BOTTOM (solid shape): 46.45,146.05 46.95,145.54 45.59,145.54 45.59,146.56 46.96,146.56
PC2 on BOTTOM (solid shape): 42.55,141.1 41.18,141.1 41.69,141.61 41.18,142.11 42.55,142.11
PC3 on BOTTOM (solid shape): 46.45,139.32 46.95,138.81 45.59,138.81 45.59,139.83 46.96,139.83
PC3 on BOTTOM (solid shape): 46.45,137.79 46.95,137.29 45.59,137.29 45.59,138.3 46.96,138.3
PC4 on BOTTOM (solid shape): 42.55,139.32 41.18,139.32 41.69,139.83 41.18,140.34 42.55,140.34
PC4 on BOTTOM (solid shape): 42.55,137.79 41.18,137.79 41.69,138.31 41.18,138.81 42.55,138.81
PC5 on BOTTOM (solid shape): 46.45,129.54 46.95,129.03 45.59,129.03 45.59,130.05 46.96,130.05
PC5 on BOTTOM (solid shape): 46.45,128.01 46.95,127.51 45.59,127.51 45.59,128.52 46.96,128.52
PC14 on BOTTOM (solid shape): 83.95,149.06 84.45,149.57 84.45,148.21 83.44,148.21 83.44,149.57
PC15 on BOTTOM (solid shape): 80.27,149.06 80.77,149.57 80.77,148.21 79.76,148.21 79.76,149.57
PG6 on TOP (solid shape): 78.49,122.21 77.98,122.72 77.47,122.21 77.47,123.57 78.49,123.57
PG7 on TOP (solid shape): 78.49,125.89 77.98,126.4 77.47,125.89 77.47,127.25 78.49,127.25
PG11 on BOTTOM (solid shape): 111.25,135.25 109.89,135.25 110.4,135.77 109.89,136.27 111.25,136.27
PH0 on BOTTOM (solid shape): 76.96,149.06 77.47,149.57 77.47,148.21 76.45,148.21 76.45,149.57
PH1 on BOTTOM (solid shape): 73.79,149.06 74.3,149.57 74.3,148.21 73.28,148.21 73.28,149.57
PH6 on BOTTOM (solid shape): 111.25,138.05 109.89,138.05 110.4,138.56 109.89,139.06 111.25,139.06
PH6 on BOTTOM (solid shape): 115.16,137.44 115.66,136.93 114.3,136.93 114.3,137.95 115.67,137.95
STM_RST on BOTTOM (solid shape): 35.81,30.32 35.31,29.81 34.8,30.32 34.8,31.24 35.81,31.24
U5V_ST_LINK on TOP (solid shape): 35.69,59.05 34.77,59.05 34.26,59.56 34.77,60.07 35.69,60.07
U5V_ST_LINK on TOP: 35.18,60.45 36.58,60.45 36.7,60.33 36.7,57.15 36.58,57.02 34.92,57.02 34.8,57.15 34.8,60.07
U5V_ST_LINK on BOTTOM: 36.7,59.18 36.58,59.05 35.56,59.05 35.31,59.31 35.31,61.34 35.43,61.47 36.58,61.47 36.7,61.34
VUSB_ST_LINK on TOP (solid shape): 34,59.57 34.51,59.05 33.15,59.05 33.15,60.07 34.51,60.07
VUSB_ST_LINK on L4_SIG (solid shape): 29.34,56.87 29.34,52.6 29.21,52.48 28.35,52.48 28.22,52.6 28.22,56.87 28.47,57.12 29.08,57.12
VUSB_ST_LINK on TOP: 35.05,52.96 35.46,52.55 35.46,48.08 35.33,47.96 34.19,47.96 33.25,48.9 28.83,48.9 28.19,49.53 28.19,60.07 28.7,60.58 33.66,60.58 33.78,60.45 33.78,59.18 33.66,59.05 30.35,59.05 29.97,58.67 29.97,53.59 30.61,52.96
VUSB_ST_LINK on TOP: 25.65,75.82 26.92,75.82 27.3,75.44 27.3,74.17 26.67,73.53 25.78,73.53 25.65,73.66
VUSB_ST_LINK on BOTTOM: 16.26,32.69 16.08,32.87 16.08,34.21 16.23,34.37 18.77,34.37 18.95,34.19 18.95,32.79 18.85,32.69
VUSB_ST_LINK on L4_SIG: 18.75,32.66 18.57,32.49 16.56,32.49 16.36,32.69 16.36,34.19 16.54,34.37 18.57,34.37 18.75,34.19
VUSB_ST_LINK on L4_SIG: 26.8,74.3 26.92,74.17 26.92,72.77 26.29,72.14 25.53,72.14 25.27,72.39 25.27,74.17 25.4,74.3

Small or netless copper shapes (teardrops, artwork), in the pictures only: 8 on TOP

## Text on the board
Ref Des/Silkscreen Bottom: STLINK | MFX | Rev.B | B | MB1167
Ref Des/Silkscreen Top: USART1_RX | USART1_TX | STlk | OTG_FS1 | power source | ST-LINK/V2-1 | OTG_FS2 | FS1 | FS2 | D5V | PSU | HS | Coupon | USART1 | PSU DC5V | OVER CURRENT | IrDA_RX | +5V | COM | AIN | RS232_RX | STLINK | ADC channel | RF E2P | +3V3 | PWR_EXT | GND | RESET# | PF10 | PB10 | PB14 | PH6 | PB12 | PB13 | PJ9 | PG7 | PG6 | PJ7 | PJ10 | PJ8 | PC4 | PC3 | PB2 | PJ3 | PF6 | PC0 | PA2 | PA0 | PA4 | PC2 | PF8 | PH0 | 0= | 1= | Flash | Sys mem | VBAT | 3V3 | POT | LD1 | MFX | TX | RX | PH3 | PF13 | PF12 | PG1 | PE7 | PE10 | PE12 | PE15 | PE13 | PD11 | PD12 | PG5 | PH11 | PD13 | PG2 | PD8 | PD9 | PD14 | 0 <--> 1 | PI11 | PB5 | PH1 | PF7 | PF9 | PA1 | PC1 | PA3 | PA6 | PA7 | PA5 | PB1 | PH4 | PI14 | PJ4 | PB11 | PB15 | PH7 | PJ5 | PJ6 | PC5 | PB0 | PJ0 | PJ2 | PJ1 | 5V | VDD_MCU | CON | PH5 | PF14 | PG0 | PF11 | PE9 | PE8 | PE11 | PF15 | PE14 | PH8 | PH10 | PH9 | PG4 | PH12 | PG3 | PD10 | PD15 | PG8 | VDDA | VREF+ | Motor Control | DATA | NOR_WP | CLK | NWAIT | PE4 | PE3 | PI5 | PI4 | PG15 | PI10 | PE1 | PE0 | PG10 | PD0 | PI2 | PI1 | PI0 | PH13 | TDO | PF5 | PF4 | PF3 | PE6 | BL_BOOT0 | Ethernet | I2S | PG12 | PG9 | PB7 | PD3 | PG13 | PJ12 | PG14 | PB8 | PG11 | PJ11 | PK0 | PA11 | PA9 | PB3 | PD6 | PC8 | PC11 | PC10 | PD2 | PC15 | PI15 | PI12 | PI8 | PK6 | PK4 | LD3 | PH15 | PH14 | PH2 | PE5 | PF2 | PF1 | PF0 | PE2 | PI7 | PI9 | PI6 | PD7 | PD5 | PD4 | PD1 | PI3 | Audio | CAMERA | TRACE | V_FS1 | PI13 | PC14 | PC13 | PK7 | PK5 | PB9 | PK3 | PB6 | PJ14 | PJ15 | PB4 | PJ13 | PC12 | PA15 | PK1 | PA14 | PK2 | PA13 | PA12 | PA10 | PC9 | PA8 | PC7 | PC6 | +2V8 | IrDA | CAN terminal | +1V8 | 25MHz | Crystal | MCO | Camera | CAN | JTAG | uSD | OTG | -HS | BL_RST | MICBIAS | SPDIF_IN | CAN_RX | CAN_RS | Audio_out2 | Audio_out1 | ETH_CLK | S | B | Reset | Wakeup/ | Tamper | Joystick | MB1167 Rev.B | STM32746G-EVAL
User.23: 1 | 3 | 5.1 | 6.1 | 8.9 | 9.9 | N/A | 90 OHM | 100 OHM | +/-10%
User.32: CN8 | CN1 | B1 | U4 | B2 | CN16 | CN3 | CN10 | CN4 | CN14_1 | U21 | CN5 | CN11 | RV2 | U10 | U27 | U7 | CN12 | U5 | CN14 | CN9 | CN13 | CN7 | CN23 | 1 | 845.00 | 545.00 | ST-Link | MB1063 | 0.00 | MB1043 | Designator5 | 400.00 | SDRAM | Speaker connector | Designator6 | Ethernet | Memory connector | Memory Connector | 118.36427 (mm)
User.41: FIGURE | SIZE | 6.0 | 8.0 | 10.0 | 12.0 | 30.0 | 32.0 | 38.0 | 40.0 | 48.0 | 53.0 | 64.0 | 95.0 | 126.0 | 177.0 | 28.0 | 33.46 | 39.0 | 47.0 | 58.0 | 67.0 | 77.0 | 79.0 | 125.0 | 138.0 | 33.0x30.0 | 59.0x33.0 | 126.0x40.0 | 140.0x50.0 | TOLERANCE | +3.0/-3.0 | +2.0/-2.0 | +5.0/-5.0 | DRILL CHART: TOP to BOTTOM | ALL UNITS ARE IN MILS | PLATED | NON-PLATED | ROTATION | - | 0.000 | 90.000 | QTY | 13 | 295 | 703 | 598 | 9 | 3 | 18 | 157 | 27 | 6 | 4 | 2 | 1 | 11 | 8 | 1907 | TOTAL HOLES:
